# Allegro board TubiiPCB_V6.brd (continued)
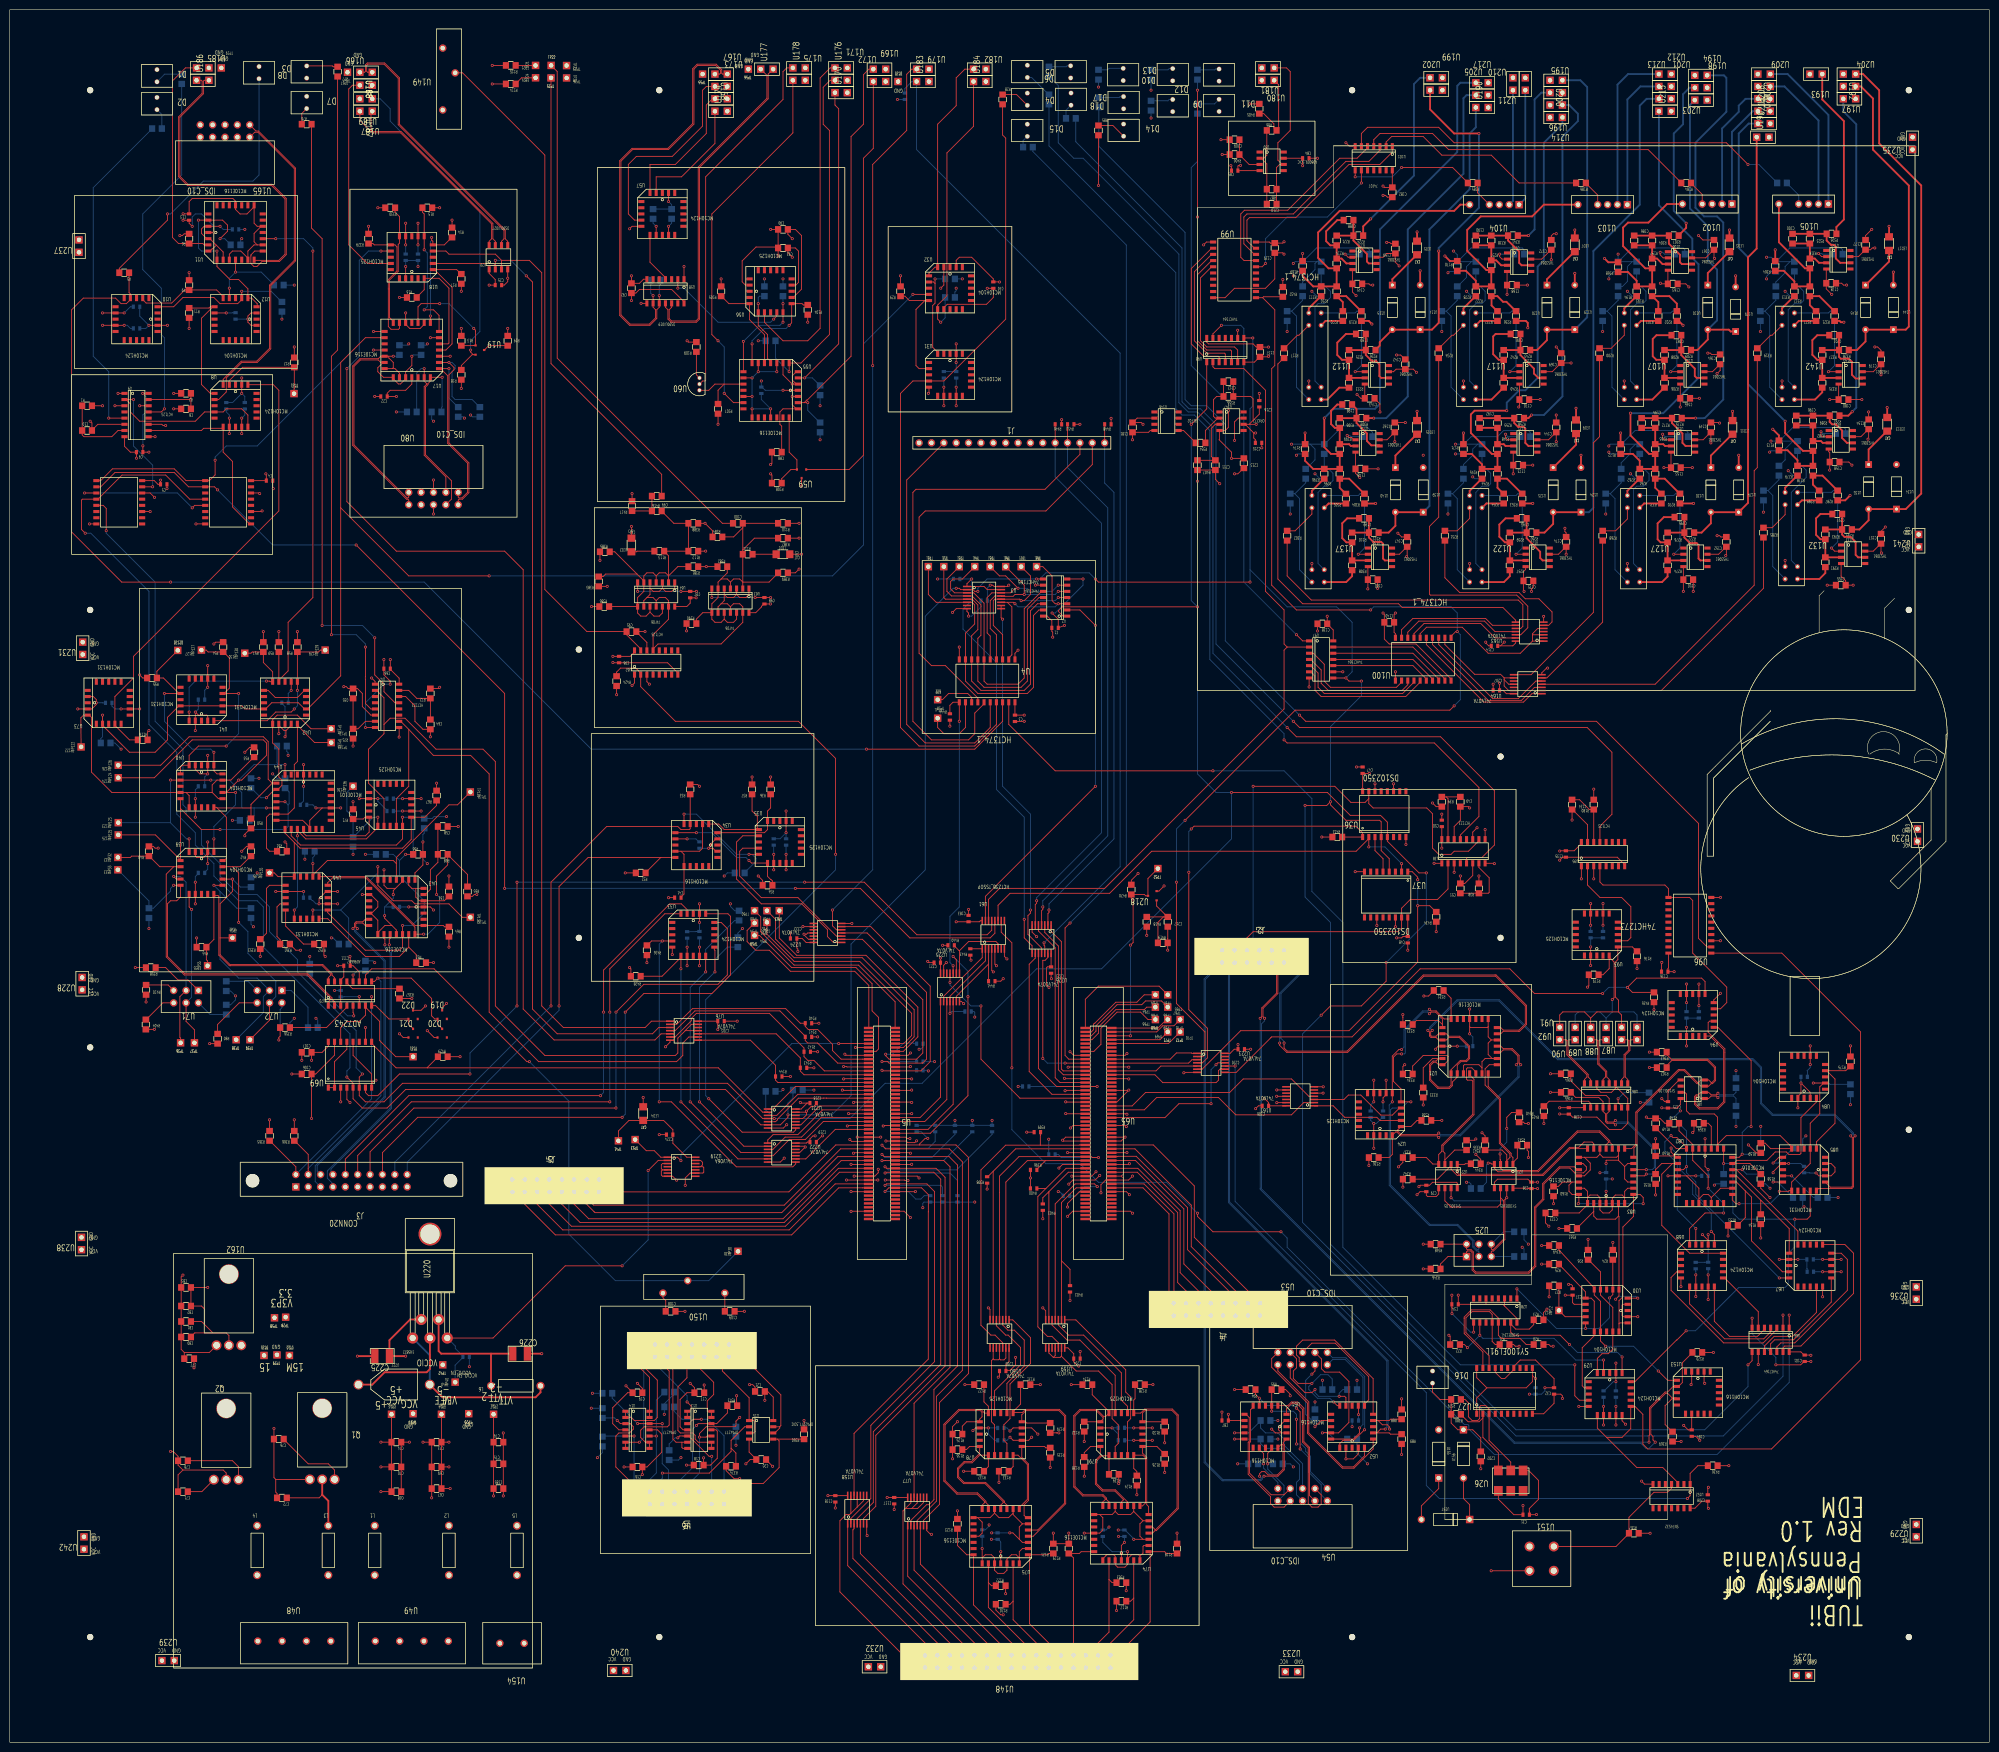
[diagram p0: board, top side]
## Routing (per net, layer and track width the routed paths; a pad name or vN(x,y) marks a point on that pad's centre or on a via; arc(x,y) is an arc through that point) (continued)
U230.1 ; U230.1 390.99,184.24 ; U230.1 392.34,185.59 ; U230.1 392.34,184.24 ; 87.87,216.93 v1(88.27,216.54) ; v1(88.27,216.54) 87.87,216.14 ; v1(88.27,216.54) 88.66,216.14 ; v1(88.27,216.54) 88.66,216.93 ; v1(211.07,63.25) 211.47,62.85 ; v1(211.07,63.25) 210.68,63.64 ; v1(211.07,63.25) 210.68,62.85 ; v1(211.07,63.25) 211.47,63.64 ; 67.55,131.84 v1(67.95,131.44) ; v1(67.95,131.44) 67.55,131.05 ; v1(67.95,131.44) 68.34,131.84 ; v1(67.95,131.44) 68.34,131.05 ; v1(352.93,56.77) 353.33,56.38 ; v1(352.93,56.77) 352.54,57.16 ; v1(352.93,56.77) 353.33,57.16 ; v1(352.93,56.77) 352.54,56.38 ; U242.1 15.91,40.3 ; U242.1 14.57,40.3 ; U242.1 15.91,38.95 ; U242.1 14.57,38.95 ; v1(33.66,276.86) 34.05,277.25 ; v1(33.66,276.86) 33.26,277.25 ; v1(33.66,276.86) 34.05,276.47 ; v1(33.66,276.86) 33.26,276.47 ; v1(182.25,337.19) 182.64,336.79 ; v1(182.25,337.19) 181.85,336.79 ; v1(182.25,337.19) 182.64,337.58 ; v1(182.25,337.19) 181.85,337.58 ; v1(325.2,195.63) 325.59,195.23 ; v1(325.2,195.63) 324.8,196.02 ; v1(325.2,195.63) 324.8,195.23 ; v1(325.2,195.63) 325.59,196.02 ; 47.23,272.17 v1(47.62,271.78) ; v1(47.62,271.78) 47.23,271.39 ; v1(47.62,271.78) 48.02,272.17 ; v1(47.62,271.78) 48.02,271.39 ; 75.81,56.91 v1(76.2,56.51) ; v1(76.2,56.51) 76.59,56.12 ; v1(76.2,56.51) 75.81,56.12 ; v1(76.2,56.51) 76.59,56.91 ; 233.92,339.48 v1(234.31,339.09) ; v1(234.31,339.09) 233.92,338.7 ; v1(234.31,339.09) 234.71,339.48 ; v1(234.31,339.09) 234.71,338.7 ; v1(351.2,153.72) 351.6,153.32 ; v1(351.2,153.72) 350.81,154.11 ; v1(351.2,153.72) 351.6,154.11 ; v1(351.2,153.72) 350.81,153.32 ; J1.2 189.9,267.37 ; J1.2 188.56,266.03 ; J1.2 189.9,266.03 ; J1.2 188.56,267.37 ; 324.17,167.29 v1(324.56,167.69) ; v1(324.56,167.69) 324.95,167.29 ; v1(324.56,167.69) 324.17,168.08 ; v1(324.56,167.69) 324.95,168.08 ; 70.09,204.08 v1(70.48,204.47) ; v1(70.48,204.47) 70.88,204.86 ; v1(70.48,204.47) 70.88,204.08 ; v1(70.48,204.47) 70.09,204.86 ; 369.38,79.82 v1(369.77,79.42) ; v1(369.77,79.42) 370.17,79.03 ; v1(369.77,79.42) 369.38,79.03 ; v1(369.77,79.42) 370.17,79.82 ; 29.32,255.92 v1(29.72,255.52) ; v1(29.72,255.52) 30.11,255.92 ; v1(29.72,255.52) 29.32,255.13 ; v1(29.72,255.52) 30.11,255.13 ; U238.1 15.41,101.77 ; U238.1 14.06,101.77 ; U238.1 14.06,100.42 ; U238.1 15.41,100.42 ; v1(126.51,73.15) 126.91,72.76 ; v1(126.51,73.15) 126.12,72.76 ; v1(126.51,73.15) 126.12,73.55 ; v1(126.51,73.15) 126.91,73.55 ; 84.06,194.07 v1(84.45,193.68) ; v1(84.45,193.68) 84.85,193.28 ; v1(84.45,193.68) 84.06,193.28 ; v1(84.45,193.68) 84.85,194.07 ; 74.26,45.12 L1.2 ; L1.2 75.6,43.78 ; L1.2 75.6,45.12 ; L1.2 74.26,43.78 ; 123.28,14.06 U240.1 ; U240.1 124.63,14.06 ; U240.1 123.28,15.41 ; U240.1 124.63,15.41 ; v1(198.12,148.84) 198.51,148.45 ; v1(198.12,148.84) 197.73,149.24 ; v1(198.12,148.84) 197.73,148.45 ; v1(198.12,148.84) 198.51,149.24 ; v1(341.71,158.16) 342.1,158.56 ; v1(341.71,158.16) 341.31,158.56 ; v1(341.71,158.16) 342.1,157.77 ; v1(341.71,158.16) 341.31,157.77 ; v1(162.05,240.79) 162.45,241.19 ; v1(162.05,240.79) 161.66,240.4 ; v1(162.05,240.79) 162.45,240.4 ; v1(162.05,240.79) 161.66,241.19 ; 363.32,278.67 U142.3 ; U142.3 364.39,278.67 ; U142.3 363.32,277.59 ; U142.3 364.39,277.59 ; 193.92,168.8 v1(194.31,168.4) ; v1(194.31,168.4) 194.7,168.8 ; v1(194.31,168.4) 193.92,168.01 ; v1(194.31,168.4) 194.7,168.01 ; v1(292.1,192.79) 292.49,192.39 ; v1(292.1,192.79) 291.71,192.39 ; v1(292.1,192.79) 291.71,193.18 ; v1(292.1,192.79) 292.49,193.18 ; v1(80.65,193.68) 81.04,193.28 ; v1(80.65,193.68) 81.04,194.07 ; v1(80.65,193.68) 80.25,193.28 ; v1(80.65,193.68) 80.25,194.07 ; v1(337.57,150.37) 337.96,149.97 ; v1(337.57,150.37) 337.17,150.76 ; v1(337.57,150.37) 337.17,149.97 ; v1(337.57,150.37) 337.96,150.76 ; 141.21,158.99 v1(141.6,159.38) ; v1(141.6,159.38) 142,158.99 ; v1(141.6,159.38) 142,159.78 ; v1(141.6,159.38) 141.21,159.78 ; 28.18,265.19 v1(28.57,264.8) ; v1(28.57,264.8) 28.97,264.4 ; v1(28.57,264.8) 28.97,265.19 ; v1(28.57,264.8) 28.18,264.4 ; 80.89,312.18 v1(81.28,311.79) ; v1(81.28,311.79) 80.89,311.39 ; v1(81.28,311.79) 81.67,311.39 ; v1(81.28,311.79) 81.67,312.18 ; 204.71,237.88 v1(205.1,237.49) ; v1(205.1,237.49) 205.5,237.88 ; v1(205.1,237.49) 204.71,237.1 ; v1(205.1,237.49) 205.5,237.1 ; 98.67,344.56 v1(99.06,344.17) ; v1(99.06,344.17) 99.45,344.56 ; v1(99.06,344.17) 98.67,343.78 ; v1(99.06,344.17) 99.45,343.78 ; 80.89,307.73 v1(81.28,307.34) ; v1(81.28,307.34) 80.89,306.95 ; v1(81.28,307.34) 81.67,306.95 ; v1(81.28,307.34) 81.67,307.73
  BOTTOM w0.178: v1(201.3,237.49) 200.71,236.91 C2.2 ; C102.1 v1(348.69,95.93) ; C12.1 24.76,290.19 24.13,290.83 v1(23.5,290.83) ; 78.77,193.68 v1(80.65,193.68) ; v1(47.62,271.78) 48.26,272.42 C6.2 ; R430.1 148.83,170.67 147.96,171.55 v1(147.96,172.09) ; C131.2 v1(324.56,167.69) ; v1(198.12,148.84) 198.12,149.81 197.94,149.99 R442.1 ; R421.1 v1(94.36,77.09) ; C133.2 v1(344.25,151.81) ; v1(27.33,266.09) 27.33,272.44 27.94,273.05 27.94,276.23 v1(27.31,276.86) ; C122.2 229.42,64.54 229.44,64.52 v1(230.76,64.52) ; C121.2 204.72,64.52 v1(205.36,63.88) ; v1(150.42,167) 149.48,166.07 R431.1 ; v1(194.31,278.13) C38.1 ; R427.1 158.37,133.6 v1(158.75,133.99) ; 141.6,165.1 v1(141.6,163.19) ; R449.1 v1(190.5,238.76) ; v1(135.25,311.15) 135.89,311.79 C91.1 ; C103.1 v1(372.19,99.11) ; v1(159.38,182.25) C46.2 ; C24.2 v1(81.28,307.34) ; v1(280.03,131.44) 279.4,130.81 C30.2 ; R447.1 v1(182.25,337.19) ; R79.1 v1(234.31,339.09) ; R425.1 v1(165.1,133.86) ; C35.1 v1(329.75,68.93)
VCC15: length 213.8
  TOP w0.178: U106.7 348.17,304.67 349.83,306.34 C167.2 349.88,304.67 v1(350.01,304.55) ; v1(317.5,266.95) C144.2 317.45,268.87 315.91,267.33 U121.7 ; 284.43,305.58 284.43,303.83 v1(285.24,303.02) ; 284.43,305.58 282.72,305.58 281.94,304.8 U111.7 ; 284.43,305.58 C159.2 ; U113.7 284.1,281.31 284.62,281.83 C142.2 288.15,281.83 v1(288.8,281.18) ; 230.56,270.88 231.46,271.78 U146.2 ; 230.56,270.88 C181.1 ; 230.56,270.88 232.3,270.88 v1(232.66,270.51) ; v1(319.53,243.84) C174.2 319.48,245.38 317.94,243.84 U123.7 ; v1(286.77,243.33) 286.89,243.46 C147.2 286.84,245.38 285.3,243.84 U138.7 ; U128.7 350.83,243.84 352.37,245.38 C152.2 352.42,243.71 v1(352.3,243.59) ; v1(243.84,339.09) v1(243.84,313.06) ; U69.16 65.41,142.88 64.13,141.61 C107.1 v1(61.96,139.97) ; U143.7 382.58,281.31 384.12,282.84 C179.2 v1(384.17,280.67) ; U118.7 316.67,281.31 318.47,283.1 C169.2 v1(320.55,283.1) ; U108.7 349.56,281.31 351.1,282.84 C164.2 351.15,281.56 v1(350.52,280.92) ; C78.2 45.72,57.79 46.98,56.53 Q2.3 ; U126.7 347.66,267.33 349.2,268.87 ; U116.7 314.51,304.42 316.43,306.34 C172.2 v1(316.48,304.29) ; v1(251.46,267.21) 251.46,271.02 252.22,271.78 U147.7 ; v1(349.25,266.7) 349.25,268.82 349.2,268.87 ; U136.7 282.76,267.33 284.3,268.87 C162.2 v1(284.35,266.95) ; U133.7 382.58,244.48 384.12,246.01 C157.2 384.17,244.22 v1(384.3,244.09) ; v1(382.9,306.7) 382.38,306.7 382.02,306.34 C177.2 380.95,306.34 379.54,304.93 U141.7 ; C149.2 349.2,268.87 ; v1(381.51,267.46) 381.63,267.59 C154.2 381.58,269.51 380.04,267.97 U131.7
  V15 w0.178: 232.27,270.9 v1(232.66,270.51) ; v1(232.66,270.51) 233.06,270.12 ; v1(232.66,270.51) 232.27,270.12 ; v1(232.66,270.51) 233.06,270.9 ; v1(288.8,281.18) 289.19,281.57 ; v1(288.8,281.18) 289.19,280.78 ; v1(288.8,281.18) 288.4,281.57 ; v1(288.8,281.18) 288.4,280.78 ; v1(284.35,266.95) 284.75,266.56 ; v1(284.35,266.95) 284.75,267.35 ; v1(284.35,266.95) 283.96,267.35 ; v1(284.35,266.95) 283.96,266.56 ; 320.15,283.49 v1(320.55,283.1) ; v1(320.55,283.1) 320.94,283.49 ; v1(320.55,283.1) 320.15,282.7 ; v1(320.55,283.1) 320.94,282.7 ; Q2.3 47.74,54.66 ; Q2.3 46.22,53.14 ; Q2.3 47.74,53.14 ; Q2.3 46.22,54.66 ; v1(382.9,306.7) 383.3,307.1 ; v1(382.9,306.7) 382.51,306.31 ; v1(382.9,306.7) 383.3,306.31 ; v1(382.9,306.7) 382.51,307.1 ; 348.86,267.09 v1(349.25,266.7) ; v1(349.25,266.7) 348.86,266.31 ; v1(349.25,266.7) 349.64,266.31 ; v1(349.25,266.7) 349.64,267.09 ; 51.54,80.06 TP16.1 ; TP16.1 52.88,78.71 ; TP16.1 52.88,80.06 ; TP16.1 51.54,78.71 ; v1(319.53,243.84) 319.93,243.45 ; v1(319.53,243.84) 319.14,244.23 ; v1(319.53,243.84) 319.14,243.45 ; v1(319.53,243.84) 319.93,244.23 ; 284.85,303.42 v1(285.24,303.02) ; v1(285.24,303.02) 285.64,302.63 ; v1(285.24,303.02) 284.85,302.63 ; v1(285.24,303.02) 285.64,303.42 ; v1(384.17,280.67) 384.57,280.28 ; v1(384.17,280.67) 384.57,281.06 ; v1(384.17,280.67) 383.78,280.28 ; v1(384.17,280.67) 383.78,281.06 ; v1(381.51,267.46) 381.9,267.07 ; v1(381.51,267.46) 381.9,267.86 ; v1(381.51,267.46) 381.11,267.86 ; v1(381.51,267.46) 381.11,267.07 ; 286.37,242.94 v1(286.77,243.33) ; v1(286.77,243.33) 287.16,242.94 ; v1(286.77,243.33) 286.37,243.73 ; v1(286.77,243.33) 287.16,243.73 ; v1(350.52,280.92) 350.91,280.53 ; v1(350.52,280.92) 350.13,281.32 ; v1(350.52,280.92) 350.13,280.53 ; v1(350.52,280.92) 350.91,281.32 ; v1(384.3,244.09) 384.7,243.7 ; v1(384.3,244.09) 383.91,243.7 ; v1(384.3,244.09) 384.7,244.49 ; v1(384.3,244.09) 383.91,244.49 ; 317.11,266.56 v1(317.5,266.95) ; v1(317.5,266.95) 317.11,267.35 ; v1(317.5,266.95) 317.89,266.56 ; v1(317.5,266.95) 317.89,267.35 ; v1(316.48,304.29) 316.88,304.69 ; v1(316.48,304.29) 316.88,303.9 ; v1(316.48,304.29) 316.09,303.9 ; v1(316.48,304.29) 316.09,304.69 ; 251.07,267.6 v1(251.46,267.21) ; v1(251.46,267.21) 251.07,266.81 ; v1(251.46,267.21) 251.85,267.6 ; v1(251.46,267.21) 251.85,266.81 ; v1(61.96,139.97) 62.35,140.36 ; v1(61.96,139.97) 61.57,140.36 ; v1(61.96,139.97) 62.35,139.58 ; v1(61.96,139.97) 61.57,139.58 ; v1(350.01,304.55) 350.41,304.94 ; v1(350.01,304.55) 349.62,304.94 ; v1(350.01,304.55) 349.62,304.15 ; v1(350.01,304.55) 350.41,304.15 ; 243.45,313.45 v1(243.84,313.06) ; v1(243.84,313.06) 244.23,313.45 ; v1(243.84,313.06) 243.45,312.66 ; v1(243.84,313.06) 244.23,312.66 ; 351.9,243.98 v1(352.3,243.59) ; v1(352.3,243.59) 351.9,243.19 ; v1(352.3,243.59) 352.69,243.19 ; v1(352.3,243.59) 352.69,243.98
  BOTTOM w0.178: R83.2 v1(243.84,339.09)
VCC15M: length 241
  TOP w0.178: v1(250.19,273.3) 250.19,269.88 249.55,269.24 U147.4 248.35,267.4 248.28,267.33 250.83,264.8 v1(250.83,263.52) 253.36,263.52 ; v1(343.6,236.22) C150.1 U128.4 ; U131.4 373.44,264.89 373.65,264.69 C158.1 373.65,261.13 v1(373.63,261.11) ; 309.94,278.76 C170.1 309.94,274.21 v1(309.8,274.07) ; v1(342.96,274.07) C165.1 342.96,278.76 ; U69.15 66.67,141.02 62.81,137.16 C106.1 v1(61.96,128.03) ; v1(378.46,237.49) C155.1 376.92,238.39 375.98,239.33 U133.4 ; v1(277.16,259.59) 276.29,260.46 C148.1 U136.4 ; v1(278.81,236.73) 278.83,236.74 C160.1 U138.4 ; v1(373.63,275.59) C180.1 375.48,278.76 ; U111.4 C145.1 275.65,297.67 v1(276.4,296.93) ; Q1.3 66.69,55.87 65.41,57.15 61.27,57.15 56.25,62.18 C76.2 ; v1(308.67,260.35) C173.1 U121.4 ; v1(310.9,236.22) 310.78,236.33 C175.1 310.78,240.3 311.21,240.73 U123.4 ; 340.42,302.13 C163.1 339.01,299.34 v1(338.88,299.47) ; U141.4 C178.1 372.94,298.31 v1(374.06,297.18) ; U126.4 C153.1 v1(339.6,261.62) ; 278.19,278.76 C143.1 277.37,275.84 v1(276.61,276.61) ; v1(307.4,297.18) C168.1 U116.4
  V15 w0.178: v1(276.61,276.61) 277,277 ; v1(276.61,276.61) 277,276.21 ; v1(276.61,276.61) 276.21,276.21 ; v1(276.61,276.61) 276.21,277 ; 65.93,54.71 Q1.3 ; Q1.3 67.45,53.19 ; Q1.3 67.45,54.71 ; Q1.3 65.93,53.19 ; v1(307.4,297.18) 307.8,296.79 ; v1(307.4,297.18) 307.01,297.57 ; v1(307.4,297.18) 307.8,297.57 ; v1(307.4,297.18) 307.01,296.79 ; v1(338.88,299.47) 339.28,299.86 ; v1(338.88,299.47) 338.49,299.86 ; v1(338.88,299.47) 339.28,299.07 ; v1(338.88,299.47) 338.49,299.07 ; 378.07,237.88 v1(378.46,237.49) ; v1(378.46,237.49) 378.07,237.1 ; v1(378.46,237.49) 378.85,237.88 ; v1(378.46,237.49) 378.85,237.1 ; v1(373.63,275.59) 374.03,275.2 ; v1(373.63,275.59) 373.24,275.2 ; v1(373.63,275.59) 374.03,275.98 ; v1(373.63,275.59) 373.24,275.98 ; 61.57,128.42 v1(61.96,128.03) ; v1(61.96,128.03) 62.35,127.64 ; v1(61.96,128.03) 62.35,128.42 ; v1(61.96,128.03) 61.57,127.64 ; 342.57,273.67 v1(342.96,274.07) ; v1(342.96,274.07) 343.36,273.67 ; v1(342.96,274.07) 342.57,274.46 ; v1(342.96,274.07) 343.36,274.46 ; 278.42,236.33 v1(278.81,236.73) ; v1(278.81,236.73) 278.42,237.12 ; v1(278.81,236.73) 279.21,237.12 ; v1(278.81,236.73) 279.21,236.33 ; 339.2,262.01 v1(339.6,261.62) ; v1(339.6,261.62) 339.99,261.23 ; v1(339.6,261.62) 339.2,261.23 ; v1(339.6,261.62) 339.99,262.01 ; 250.43,263.92 v1(250.83,263.52) ; v1(250.83,263.52) 251.22,263.92 ; v1(250.83,263.52) 250.43,263.13 ; v1(250.83,263.52) 251.22,263.13 ; 276.01,296.53 v1(276.4,296.93) ; v1(276.4,296.93) 276.01,297.32 ; v1(276.4,296.93) 276.79,296.53 ; v1(276.4,296.93) 276.79,297.32 ; TP15.1 58.09,78.71 ; TP15.1 56.74,78.71 ; TP15.1 56.74,80.06 ; TP15.1 58.09,80.06 ; v1(374.06,297.18) 374.46,297.57 ; v1(374.06,297.18) 373.67,296.79 ; v1(374.06,297.18) 373.67,297.57 ; v1(374.06,297.18) 374.46,296.79 ; v1(310.9,236.22) 311.29,236.61 ; v1(310.9,236.22) 310.5,235.83 ; v1(310.9,236.22) 311.29,235.83 ; v1(310.9,236.22) 310.5,236.61 ; 343.2,236.61 v1(343.6,236.22) ; v1(343.6,236.22) 343.2,235.83 ; v1(343.6,236.22) 343.99,235.83 ; v1(343.6,236.22) 343.99,236.61 ; 309.41,273.67 v1(309.8,274.07) ; v1(309.8,274.07) 310.19,274.46 ; v1(309.8,274.07) 310.19,273.67 ; v1(309.8,274.07) 309.41,274.46 ; 308.28,260.74 v1(308.67,260.35) ; v1(308.67,260.35) 309.07,260.74 ; v1(308.67,260.35) 308.28,259.96 ; v1(308.67,260.35) 309.07,259.96 ; 373.24,260.72 v1(373.63,261.11) ; v1(373.63,261.11) 373.24,261.51 ; v1(373.63,261.11) 374.03,260.72 ; v1(373.63,261.11) 374.03,261.51 ; v1(277.16,259.59) 277.56,259.19 ; v1(277.16,259.59) 276.77,259.19 ; v1(277.16,259.59) 276.77,259.98 ; v1(277.16,259.59) 277.56,259.98
  BOTTOM w0.178: v1(250.19,273.3) 250.19,274.95 242.57,282.57 242.57,323.22 243.84,324.49 R82.2
VCC24: length 14.5
  TOP w0.178: Q2.1 39.43,51.43 C71.2
  VCC w0.178: 41.14,54.66 Q2.1 ; Q2.1 42.66,53.14 ; Q2.1 42.66,54.66 ; Q2.1 41.14,53.14 ; 50.13,45.12 L4.2 ; L4.2 50.13,43.78 ; L4.2 51.47,45.12 ; L4.2 51.47,43.78
VCC24_RAW: length 7.6
  VCC w0.178: L4.1 51.47,33.62 ; L4.1 51.47,34.96 ; L4.1 50.13,33.62 ; L4.1 50.13,34.96 ; 50.93,20.76 51.6,20.09 ; 50.93,20.76 50.25,20.09 ; 50.93,20.76 50.25,21.44 ; 50.93,20.76 51.6,21.44
VCC24M: length 17.6
  TOP w0.178: 64.15,50.8 63.51,50.16 C72.2
  TOP w0.381: L3.2 65.41,49.54 64.15,50.8 Q1.2
VCC24M_RAW: length 7.6
  VCC w0.178: U48.4 66.59,20.09 ; U48.4 65.24,20.09 ; U48.4 65.24,21.44 ; U48.4 66.59,21.44 ; L3.1 66.08,33.62 ; L3.1 66.08,34.96 ; L3.1 64.73,34.96 ; L3.1 64.73,33.62
VCC_RAW: length 7.6
  VCC w0.178: L1.1 75.6,33.62 ; L1.1 74.26,34.96 ; L1.1 74.26,33.62 ; L1.1 75.6,34.96 ; U49.1 75.73,21.44 ; U49.1 74.38,20.09 ; U49.1 75.73,20.09 ; U49.1 74.38,21.44
VCCIO: length 102.4
  TOP w0.178: v1(184.4,115.32) 183.79,115.32 183.71,115.4 U5.79 v1(179.75,115.4) ; v1(224.03,112.78) 224.03,114.44 224.99,115.4 U65.79 229.7,115.4 v1(230.5,116.21) ; v1(173.36,116.2) U5.78 177.6,116.2 178.31,116.9 v1(178.31,117.6) ; v1(217.42,114.55) 218.27,115.4 U65.80 222.84,115.4 v1(223.77,116.33) ; v1(223.01,117.09) 222.12,116.2 U65.78 v1(218.05,116.2) ; v1(171.79,115.4) U5.80 v1(178.22,115.4)
  TOP w0.381: U220.4 88.05,80.3 88.59,79.76 98.81,79.76 ; C226.1 98.81,79.76 ; 98.81,79.76 L6.2
  VEE w0.178: v1(218.05,116.2) 218.45,116.59 ; v1(218.05,116.2) 217.66,115.81 ; v1(218.05,116.2) 218.45,115.81 ; v1(218.05,116.2) 217.66,116.59 ; v1(171.79,115.4) 172.18,115.01 ; v1(171.79,115.4) 171.39,115.01 ; v1(171.79,115.4) 172.18,115.79 ; v1(171.79,115.4) 171.39,115.79 ; 88.23,78.14 TP42.1 ; TP42.1 88.23,76.8 ; TP42.1 89.57,76.8 ; TP42.1 89.57,78.14 ; v1(179.75,115.4) 180.14,115.79 ; v1(179.75,115.4) 179.35,115.79 ; v1(179.75,115.4) 180.14,115.01 ; v1(179.75,115.4) 179.35,115.01 ; 177.83,115.01 v1(178.22,115.4) ; v1(178.22,115.4) 178.62,115.01 ; v1(178.22,115.4) 177.83,115.79 ; v1(178.22,115.4) 178.62,115.79 ; v1(217.42,114.55) 217.82,114.95 ; v1(217.42,114.55) 217.03,114.95 ; v1(217.42,114.55) 217.03,114.16 ; v1(217.42,114.55) 217.82,114.16 ; v1(223.77,116.33) 224.17,116.73 ; v1(223.77,116.33) 223.38,115.94 ; v1(223.77,116.33) 224.17,115.94 ; 172.97,116.59 v1(173.36,116.2) ; v1(173.36,116.2) 172.97,115.81 ; v1(173.36,116.2) 173.75,115.81 ; v1(173.36,116.2) 173.75,116.59 ; v1(184.4,115.32) 184.8,114.92 ; v1(184.4,115.32) 184.01,115.71 ; v1(184.4,115.32) 184.01,114.92 ; v1(184.4,115.32) 184.8,115.71 ; 223.63,112.38 v1(224.03,112.78) ; v1(224.03,112.78) 224.42,112.38 ; v1(224.03,112.78) 223.63,113.17 ; v1(224.03,112.78) 224.42,113.17 ; 87.06,85.79 U220.4 ; U220.4 89.03,87.76 ; U220.4 89.03,85.79 ; U220.4 87.06,87.76 ; 230.11,115.81 v1(230.5,116.21) ; v1(230.5,116.21) 230.9,116.6 ; v1(230.5,116.21) 230.11,116.6 ; v1(230.5,116.21) 230.9,115.81 ; 222.62,117.49 v1(223.01,117.09) ; v1(223.01,117.09) 223.41,116.7 ; v1(223.01,117.09) 222.62,116.7 ; v1(223.01,117.09) 223.41,117.49 ; 177.91,117.21 v1(178.31,117.6) ; v1(178.31,117.6) 178.7,118 ; v1(178.31,117.6) 177.91,118 ; v1(178.31,117.6) 178.7,117.21
